# Altium PCB pycyby.PcbDoc (part 2 of 2)
Units mil, origin at the board's own origin, x right, y up, seen from the top; angles counter-clockwise.
Board outline 4015.75 x 3346.46 mil, 2 copper layers (Top Layer, Bottom Layer), stack 63.824 mil thick; 169 components, 123 nets, 635 pads, 245 vias.
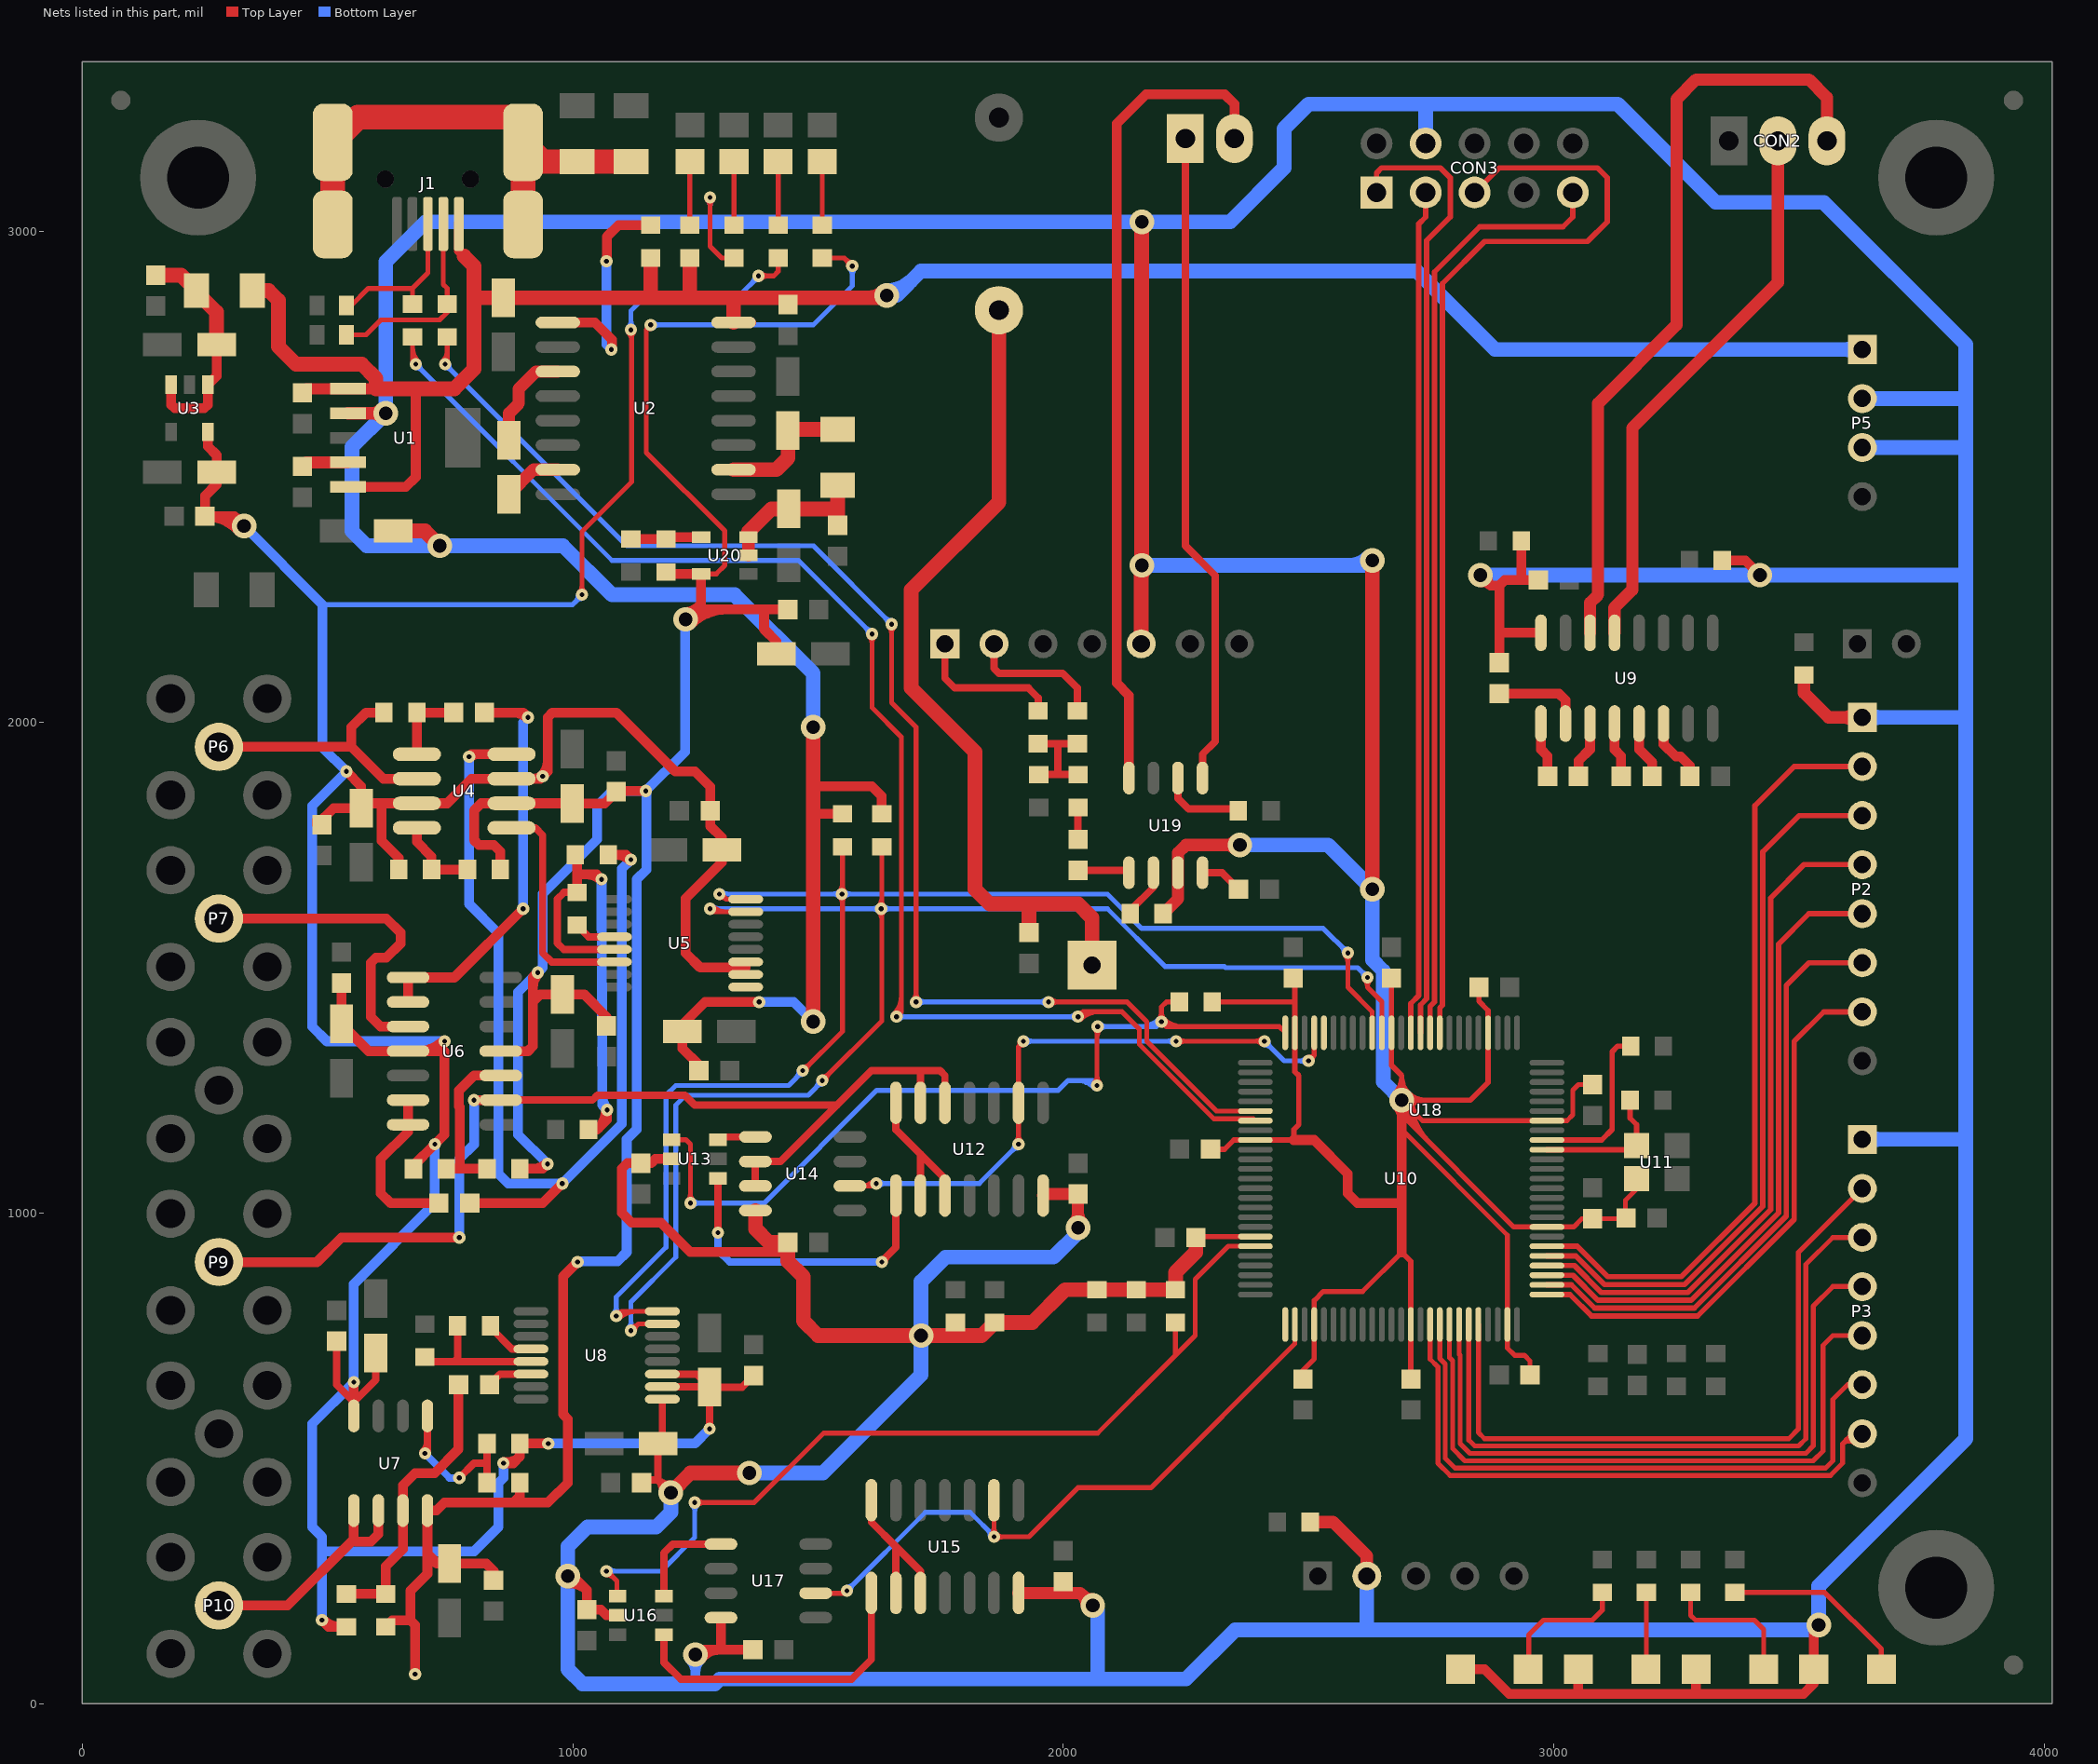
[diagram p2: the nets of this part, all layers, seen from the top]

## Via types
v1: diameter 25, hole 10, Top Layer to Bottom Layer, 215 vias
v2: diameter 50, hole 28, Top Layer to Bottom Layer, 29 vias
v3: diameter 70, hole 40, Top Layer to Bottom Layer, 1 vias

## Nets (pads, with @x,y where several pads share a name; then routed paths per layer and width w, separated by ;. In a path a pad name is that pad's centre, name@x,y a point inside that pad or via, vN(x,y) a via of type N, cw(c..) or ccw(c..) an arc to the next point about the centre after c; other vN are vias at no path point) (continued)
MUT_IN1: P9.1 U6.9 U12.5 U12.6 U14.6 U14.7 | length 2193.8
  Top Layer w15: U6.9@853.23,1230 1040,1230 1050,1240 1228.74,1240 1248.74,1220 1538.74,1220 ; U14.7@1372.28,1055 U14.6@1372.28,1105 1423.74,1105 1538.74,1220 ; U12.6@1708.74,1224.49 1708.74,1290 ; U12.5@1758.74,1224.49 1758.74,1280 1748.74,1290 1708.74,1290 ; 1538.74,1220 1608.74,1290 1708.74,1290
  Top Layer w20: P9.1@278.74,900 478.74,900 528.74,950 v1(768.74,950) ; v1(798.74,1230) U6.9@853.23,1230
  Bottom Layer w20: v1(768.74,950) 768.74,1110 798.74,1140 v1(798.74,1230)
MUT_OUT0: P10.1 U7.1 U7.2 | length 496.3
  Top Layer w20: P10.1@278.74,200 418.74,200 553.74,335 ; U7.1@553.74,393.54 553.74,335 ; U7.2@603.74,393.54 603.74,345 588.74,330 558.74,330 553.74,335
MUT_OUT1: P6.1 R11.1 U4.6 | length 549.4
  Top Layer w20: P6.1@278.74,1950 548.74,1950 ; R11.1@615.28,2020 578.74,2020 548.74,1990 548.74,1950 ; U4.6@682.28,1885 613.74,1885 548.74,1950
MUT_REF1: P7.1 U6.3 | length 674.3
  Top Layer w20: P7.1@278.74,1600 620,1600 648.74,1571.26 648.74,1548.74 620,1520 598.74,1520 588.74,1510 588.74,1400 608.74,1380 U6.3@664.25,1380
NetC4_1: C4.1 U2.3 | length 207.3
  Top Layer w25: C4.1@870,2575.12 870,2630 890,2650 890,2680 925,2715 U2.3@969.61,2715
NetC4_2: C4.2 U2.7 | length 120.4
  Top Layer w25: C4.2@870,2464.88 920.12,2515 U2.7@969.61,2515
NetC6_2: C6.2 L2.1 U2.10 | length 279
  Top Layer w30: U2.10@1327.87,2515 1415,2515 1438.74,2538.74 C6.2@1438.74,2594.88 1440.94,2597.09 L2.1@1540,2597.09
NetC8_2: C8.2 U1.4 | length 96.4
  Top Layer w25: C8.2@448.74,2521.5 457.24,2530 U1.4@541.61,2530
NetC9_1: C9.1 C10.2 L3.2 U3.1 U3.3 | length 474.6
  Top Layer w20: U3.3@181.34,2688.23 181.34,2647.4 188.74,2640 248.74,2640 256.14,2647.4 U3.1@256.14,2688.23 273.86,2705.94 C9.1@273.86,2770
  Top Layer w30: C10.2@150,2911.5 201.42,2911.5 L3.2@232.91,2880 232.91,2877.09 273.86,2836.14 C9.1@273.86,2770
NetC13_1: C13.1 U6.1 U6.2 | length 860.8
  Top Layer w20: U6.2@664.25,1430 U6.1@664.25,1480 758.74,1480 v1(898.74,1620) ; C13.1@820.24,2020 898.74,2020 v1(908.74,2010) ; 878.56,2020 cw(c878.56,1979.82) v1@906.97,2008.23
  Bottom Layer w20: v1(898.74,1620) 898.74,2000 v1(908.74,2010)
NetC13_2: C13.2 R11.2 U4.5 | length 160.1
  Top Layer w20: U4.5@682.28,1935 682.28,2019.92 R11.2@682.2,2020 C13.2@757.24,2020
NetC14_1: C14.1 U6.6 U6.7 | length 339.8
  Top Layer w20: U6.6@664.25,1230 U6.7@664.25,1180 664.25,1165.51 608.74,1110 608.74,1040 628.74,1020 C14.1@727.24,1020
NetC14_2: C14.2 R12.1 U4.4 | length 2125.1
  Top Layer w20: v1(788.74,1930) 793.74,1935 U4.4@875.2,1935 ; C14.2@790.24,1020 938.74,1020 v1(978.74,1060) ; v1@790.51,1928.23 cw(c806.85,1911.89) 806.85,1935 ; R12.1@1072.2,1730 1108.74,1730 v1(1118.74,1720) ; R12.1@1088.56,1730 cw(c1088.56,1689.82) v1@1116.97,1718.23
  Bottom Layer w20: v1(788.74,1930) 788.74,1630 848.74,1570 848.74,1080 868.74,1060 v1(978.74,1060) 1100,1181.26 1100,1701.26 v1(1118.74,1720)
NetC15_1: C15.1 R17.2 R19.1 U7.3 | length 591.5
  Top Layer w20: R17.2@538.74,223.46 R19.1@618.74,223.46 618.74,280 653.74,315 U7.3@653.74,393.54 653.74,445 678.74,470 718.74,470 767.24,518.5 C15.1@767.24,650
NetC15_2: C15.2 U8.6 | length 93.6
  Top Layer w15: C15.2@830.24,650 851.85,671.61 U8.6@914.88,671.61
NetC29_1: C29.1 U9.2 | length 188.1
  Top Layer w20: C29.1@2888.74,2058.5 3010.24,2058.5 3023.74,2045 U9.2@3023.74,1997.48
NetC30_1: C30.1 U9.3 | length 117.2
  Top Layer w20: C30.1@3050.24,1890 3050.24,1921.5 3073.74,1945 U9.3@3073.74,1997.48
NetC30_2: C30.2 U9.1 | length 113.1
  Top Layer w20: U9.1@2973.74,1997.48 2973.74,1945 2987.24,1931.5 C30.2@2987.24,1890
NetC31_1: C31.1 U9.4 | length 113.1
  Top Layer w20: U9.4@3123.74,1997.48 3123.74,1945 3137.24,1931.5 C31.1@3137.24,1890
NetC31_2: C31.2 U9.5 | length 118.5
  Top Layer w20: U9.5@3173.74,1997.48 3173.74,1945 3200.24,1918.5 C31.2@3200.24,1890
NetC32_2: C32.2 U9.6 | length 135.5
  Top Layer w20: U9.6@3223.74,1997.48 3223.74,1955 3248.74,1930 3258.74,1930 3277.24,1911.5 C32.2@3277.24,1890
NetC51_1: C51.1 R51.2 | length 65
  Top Layer w15: C51.1@2030,1761.5 R51.2@2030,1826.54
NetC51_2: C51.2 U19.1 | length 105.8
  Top Layer w15: C51.2@2030,1698.5 2128.78,1698.5 U19.1@2133.74,1693.54
NetC52_1: C52.1 U19.4 | length 87.4
  Top Layer w15: U19.4@2283.74,1693.54 2323.7,1693.54 C52.1@2357.24,1660
NetC62_1: C62.1 C63.2 L2.2 U20.2 U20.3 | length 333.8
  Top Layer w25: U20.2@1358.23,2340 U20.3@1358.23,2377.4
  Top Layer w30: U20.3@1358.23,2377.4 1358.23,2388.23 1405.12,2435.12 C63.2@1440,2435.12 1532.91,2435.12 1540,2442.2 ; C62.1@1540,2401.5 1540,2442.2 ; L2.2@1540,2482.91 1540,2442.2
NetD1_1: D1.1 R1.1 | length 129.1
  Top Layer w10: R1.1@1238.74,3013.46 D1.1@1238.74,3142.6
NetD2_1: D2.1 R2.1 | length 129.1
  Top Layer w10: R2.1@1328.74,3013.46 D2.1@1328.74,3142.6
NetD3_1: D3.1 R3.1 | length 129.1
  Top Layer w10: R3.1@1418.74,3013.46 D3.1@1418.74,3142.6
NetD4_2: D4.2 R39.2 | length 129.1
  Top Layer w10: R39.2@1508.74,3013.46 D4.2@1508.74,3142.6
NetD5_2: D5.2 J1.3 R5.1 | length 325.2
  Top Layer w10: D5.2@538.74,2850 548.74,2850 583.23,2884.49 673.23,2884.49 ; R5.1@673.23,2852.36 673.23,2884.49 ; J1.3@704.72,3015.75 704.72,2915.98 673.23,2884.49
NetD6_2: D6.2 R27.2 | length 387.8
  Top Layer w10: R27.2@3368.74,226.54 3552.2,226.54 3667.64,111.1 D6.2@3667.64,70
NetD7_2: D7.2 R28.2 | length 157
  Top Layer w10: D7.2@3187.64,70 3188.74,71.1 R28.2@3188.74,226.54
NetD8_2: D8.2 R29.2 | length 288.5
  Top Layer w10: R29.2@3278.74,226.54 3278.74,180 3288.74,170 3408.74,170 3427.64,151.1 D8.2@3427.64,70
NetD9_2: D9.2 R30.2 | length 277.7
  Top Layer w10: D9.2@2947.64,70 2948.74,71.1 2948.74,140 2978.74,170 3078.74,170 3098.74,190 R30.2@3098.74,226.54
NetD10_2: D10.2 J1.2 R4.1 | length 407.8
  Top Layer w10: D10.2@538.74,2790 578.74,2790 608.74,2820 728.74,2820 744.09,2835.35 R4.1@744.09,2852.36 744.09,2884.65 736.22,2892.52 J1.2@736.22,3015.75
NetP2_2: P2.2 U10.81 | length 1573.8
  Top Layer w11: U10.81@2985.98,932.2 3047.8,932.2 3110,870 3260,870 3410,1020 3410,1830 3490,1910 P2.2@3628.74,1910
NetP2_3: P2.3 U10.80 | length 1486.3
  Top Layer w11: U10.80@2985.98,912.52 3044.85,912.52 3103.37,854 3266.63,854 3426,1013.37 3426,1736 3500,1810 P2.3@3628.74,1810
NetP2_4: P2.4 U10.79 | length 1398.8
  Top Layer w11: U10.79@2985.98,892.83 3041.91,892.83 3096.75,838 3273.25,838 3442,1006.75 3442,1642 3510,1710 P2.4@3628.74,1710
NetP2_5: P2.5 U10.78 | length 1311.3
  Top Layer w11: U10.78@2985.98,873.15 3038.97,873.15 3090.12,822 3279.88,822 3458,1000.12 3458,1548 3520,1610 P2.5@3628.74,1610
NetP2_6: P2.6 U10.77 | length 1229.6
  Top Layer w11: U10.77@2985.98,853.46 3036.03,853.46 3083.49,806 3286.51,806 3474,993.49 3474,1464 3520,1510 P2.6@3628.74,1510
NetP2_7: P2.7 U10.76 | length 1130.4
  Top Layer w11: U10.76@2985.98,833.78 3033.08,833.78 3076.86,790 3293.14,790 3490,986.86 3490,1350 3550,1410 P2.7@3628.74,1410
NetP3_2: P3.2 U10.71 | length 1430.1
  Top Layer w10: U10.71@2846.22,772.76 2846.22,552.52 2858.74,540 3478.74,540 3498.74,560 3498.74,920 P3.2@3628.74,1050
NetP3_3: P3.3 U10.70 | length 1426.8
  Top Layer w10: U10.70@2826.54,772.76 2826.54,537.2 2838.74,525 3498.74,525 3513.74,540 3513.74,895 3568.74,950 P3.3@3628.74,950
NetP3_4: P3.4 U10.69 | length 1379.6
  Top Layer w10: U10.69@2806.85,772.76 2806.85,711.89 2808.74,710 2808.74,530 2828.74,510 3513.74,510 3528.74,525 3528.74,810 3568.74,850 P3.4@3628.74,850
NetP3_5: P3.5 U10.68 | length 1332.4
  Top Layer w10: U10.68@2787.17,772.76 2787.17,705.21 2793.74,698.64 2793.74,520 2818.74,495 3528.74,495 3548.74,515 3548.74,730 3568.74,750 P3.5@3628.74,750
NetP3_6: P3.6 U10.67 | length 1296
  Top Layer w10: U10.67@2767.48,772.76 2767.48,703.69 2778.74,692.43 2778.74,500 2798.74,480 3553.74,480 3568.74,495 3568.74,620 3598.74,650 ; P3.6@3604.7,645.13 ccw(c3598.74,643.92) 3598.74,650 ; P3.6@3604.7,654.87 cw(c3598.74,656.08) 3598.74,650 ; P3.6@3628.74,650 3598.74,650
NetP3_7: P3.7 U10.66 | length 1275.3
  Top Layer w10: U10.66@2747.8,772.76 2747.8,702.16 2763.74,686.21 2763.74,490 2788.74,465 3563.74,465 3588.74,490 3588.74,530 ; 3596.5,537.76 cw(c3608.56,525.69) P3.7@3619.46,538.82 ; P3.7@3613.07,531.13 ccw(c3601.53,517.22) 3588.74,530 ; P3.7@3628.74,550 3608.74,550 3588.74,530
NetR7_1: R7.1 U2.1 | length 509
  Top Layer w20: U2.1@969.61,2815 1045,2815 1080,2780 v1@1080,2760 ; v1@1070,2940 1070,2990 1093.46,3013.46 R7.1@1158.74,3013.46
  Bottom Layer w20: 1068.74,2790.18 ccw(c1108.92,2790.18) v1@1080.51,2761.77 ; v1(1068.74,2940) 1068.74,2770 v1(1078.74,2760)
NetR8_1: R8.1 R9.2 U4.8 | length 170.5
  Top Layer w20: U4.8@682.28,1785 682.28,1756.46 712.2,1726.54 R9.2@712.2,1700 R8.1@785.28,1700
NetR10_1: R10.1 R12.2 R15.2 U5.5 | length 1035.1
  Top Layer w15: R12.2@1005.28,1730 R12.2@1008.74,1726.54 ; R10.1@1008.74,1653.46 982.2,1653.46 968.74,1640 968.74,1550 981.54,1537.2 U5.5@1084.88,1537.2 ; 1048.74,1690 v1(1058.74,1680)
  Top Layer w20: R10.1@1008.74,1653.46 1008.74,1690 ; R12.2@1008.74,1726.54 1008.74,1690 ; 1028.56,1690 cw(c1028.56,1649.82) v1@1056.97,1678.23 ; R15.2@1032.2,1170 1050,1170 1070,1190 v1(1070,1210) ; 1048.74,1690 1008.74,1690 ; 1051.59,1171.59 ccw(c1013.18,1210) v1@1067.5,1210
  Bottom Layer w20: v1(1058.74,1680) 1060,1260 1060,1220 v1(1070,1210) ; 1060,1240.18 ccw(c1100.18,1240.18) v1@1071.77,1211.77
NetR10_2: R10.2 U5.4 | length 86
  Top Layer w15: R10.2@1008.74,1586.54 1032.48,1562.8 U5.4@1084.88,1562.8
NetR18_2: R18.2 R21.1 U6.10 | length 339.7
  Top Layer w20: R18.2@742.2,1090 768.74,1090 ; R21.1@825.28,1090 770,1090 770,1215.61 768.24,1217.37 768.24,1249.5 798.74,1280 U6.10@853.23,1280
NetR20_1: R20.1 U8.4 | length 104.3
  Top Layer w15: R20.1@832.2,770 832.2,766.54 875.94,722.8 U8.4@914.88,722.8
NetR20_2: R20.2 R22.2 U8.5 | length 295.5
  Top Layer w15: R22.2@698.74,706.54 708.07,697.2 758.74,697.2 ; R20.2@765.28,770 765.28,703.74 758.74,697.2 ; U8.5@914.88,697.2 758.74,697.2
NetR23_2: R23.2 R24.1 U7.5 | length 341.1
  Top Layer w15: v1@695.2,513.54 ccw(c674.6,534.14) 703.74,534.14 ; v1(698.74,510) 703.74,515 U7.5@703.74,586.46 ; v1(768.74,460) 798.74,490 825.28,490 ; R24.1@825.28,450 825.28,490 ; R23.2@825.28,530 825.28,490
  Bottom Layer w15: v1(698.74,510) 748.74,460 v1(768.74,460)
NetR33_2: R33.2 U19.2 | length 105.3
  Top Layer w15: R33.2@2136.54,1610 2136.54,1616.54 2183.74,1663.74 U19.2@2183.74,1693.54 U19.2@2185.28,1692.01
NetR34_1: R34.1 U18.1 | length 303.1
  Top Layer w15: U18.1@1758.74,2160 1758.74,2090 1778.74,2070 1928.74,2070 1948.74,2050 R34.1@1948.74,2023.46
NetR34_2: R34.2 R35.2 R36.1 R51.1 | length 223.6
  Top Layer w15: R34.2@1948.74,1956.54 1988.74,1956.54 ; R36.1@1950,1893.46 1990,1893.46 ; R35.2@2028.74,1956.54 1988.74,1956.54 ; R51.1@2030,1893.46 1990,1893.46 ; 1988.74,1956.54 1988.74,1894.72 1990,1893.46
NetR35_1: R35.1 U18.2 | length 283.1
  Top Layer w15: U18.2@1858.74,2160 1858.74,2110 1868.74,2100 1998.74,2100 2028.74,2070 R35.1@2028.74,2023.46
NetR37_2: R37.2 U19.6 | length 175.4
  Top Layer w15: U19.6@2233.74,1886.46 2233.74,1845 2255.28,1823.46 R37.2@2358.74,1823.46
NetR40_2: R40.2 U10.91 U11.1 | length 284.7
  Top Layer w11: U10.91@2985.98,1129.06 3160.87,1129.06 U11.1@3168.74,1136.93 3168.74,1180 3155.28,1193.46 R40.2@3155.28,1230
NetR45_2: R45.2 R46.1 U20.4 | length 144.7
  Top Layer w20: R45.2@1118.74,2373.46 R46.1@1190,2373.46 1193.94,2377.4 U20.4@1261.77,2377.4
NetR49_2: R49.2 U10.92 | length 342.8
  Top Layer w11: U10.92@2985.98,1148.74 3097.48,1148.74 3118.74,1170 3118.74,1328.74 3130,1340 R49.2@3156.54,1340
NetS1_1: S1.1 U19.5 | length 1339.8
  Top Layer w15: S1.1@2248.74,3190 2248.74,2360 2310,2298.74 2310,1961.26 2283.74,1935 U19.5@2283.74,1886.46
NetS1_2: S1.2 U19.8 | length 1687
  Top Layer w20: U19.8@2133.74,1886.46 2133.74,2055 2108.74,2080 2108.74,3220 2168.74,3280 2328.74,3280 2348.74,3260 S1.2@2348.74,3190
NetU4_1: U4.1 U5.6 | length 463.5
  Top Layer w15: U4.1@875.2,1785 923.74,1785 938.74,1770 938.74,1530 957.13,1511.61 U5.6@1084.88,1511.61
NetU12_7: U12.7 U12.9 U12.10 | length 314.9
  Top Layer w15: U12.7@1658.74,1224.49 1658.74,1170 1708.74,1120 ; U12.9@1708.74,1035.51 1708.74,1120 ; U12.10@1758.74,1035.51 1758.74,1070 1708.74,1120
NetU12_8: U12.8 U13.4 | length 649.1
  Top Layer w15: v1(1295.98,960) U13.4@1295.98,1070.63 ; v1@1628.74,900 1658.74,930 U12.8@1658.74,1035.51 ; v1@1635,900 cw(c1650.11,900) 1639.43,910.69
  Bottom Layer w15: v1(1295.98,960) 1295.98,924.02 1320,900 v1@1628.74,900
  other v1: 1630,900
NetU13_6: U13.6 U14.5 | length 78.6
  Top Layer w15: U13.6@1295.98,1149.37 1301.61,1155 U14.5@1372.28,1155
NetU15_7: U15.7 U15.9 U15.10 | length 324.9
  Top Layer w15: U15.7@1608.74,414.49 1608.74,370 1658.74,320 ; U15.9@1658.74,225.51 1658.74,320 ; U15.10@1708.74,225.51 1708.74,270 1658.74,320
NetU15_8: U15.8 U16.4 | length 645.5
  Top Layer w15: U16.4@1185.98,140.63 1185.98,84.02 1220,50 1568.74,50 1608.74,90 U15.8@1608.74,225.51
NetU16_6: U16.6 U17.5 | length 211.5
  Top Layer w15: U16.6@1185.98,219.37 1185.98,307.24 1203.74,325 U17.5@1302.28,325
POT_SPI0.MISO0: U10.51 | length 29
  Top Layer w10: U10.51@2452.52,743.78 U10.51@2452.52,772.76
POT_SPI1.MISO1: U10.21
POT_SW0: R32.1 U10.45 U16.1 | length 1994.9
  Top Layer w10: v1@1068.74,262.5 cw(c1068.74,241.35) 1083.69,256.31 ; v1(1068.74,270) 1078.74,260 ; v1@1070.16,262.63 cw(c1071.96,253.22) 1078.74,260 ; v1@1070.47,262.7 cw(c1072.81,252.82) 1080,260 ; v1@1076.11,268.58 ccw(c1085.52,266.78) 1078.74,260 ; v1@1076.23,269.68 ccw(c1089.12,269.12) 1080,260 ; v1@1076.24,270 ccw(c1091.31,270) 1080.65,259.35 ; U16.1@1091.5,219.37 1090,220.87 1090,250 1080,260 ; v1@1250,410 1370,410 1511.26,551.26 2070,551.26 2228.74,710 ; v1@1254.04,404.7 cw(c1266.85,391.89) 1266.85,410 cw(c1266.85,428.11) v1@1254.04,415.3 ; R32.1@2235.28,770 R32.1@2228.74,776.54 2228.74,710 ; U10.45@2391.5,932.2 2336.09,932.2 2268.74,864.85 2268.74,750 2228.74,710 ; 1078.74,260 1080,260
  Bottom Layer w10: v1(1068.74,270) 1180,270 1248.74,338.74 v1(1248.74,410) ; v1@1074.04,264.7 cw(c1086.85,251.89) 1086.85,270 cw(c1086.85,288.11) v1@1074.04,275.3 ; v1@1243.44,404.7 cw(c1230.63,391.89) 1248.74,391.89 cw(c1266.85,391.89) v1@1254.04,404.7
POT_SW1: R31.1 U10.25 U13.1 | length 2066.2
  Top Layer w10: U13.1@1201.5,1149.37 1230.63,1149.37 1240,1140 v1(1240,1020) ; v1@1234.7,1025.3 ccw(c1221.89,1038.11) 1240,1038.11 ccw(c1258.11,1038.11) v1@1245.3,1025.3 ; v1@2063.44,1265.3 ccw(c2050.63,1278.11) 2068.74,1278.11 ccw(c2086.85,1278.11) v1@2074.04,1265.3 ; v1@2064.7,1374.7 cw(c2054.93,1364.93) 2068.74,1364.93 ; v1(2068.74,1260) 2068.74,1378.74 v1(2070,1380) ; 2068.74,1358.85 cw(c2091.15,1358.85) v1@2075.3,1374.7 ; v1@2194.7,1395.3 ccw(c2181.89,1408.11) 2200,1408.11 ccw(c2218.11,1408.11) 2205.3,1395.3 ccw(c2242.25,1432.25) 2242.25,1380 ; v1@2198.23,1388.23 ccw(c2218.11,1408.11) 2218.11,1380 ; v1@2201.42,1382.63 cw(c2203.22,1373.22) 2210,1380 ; v1@2207.37,1388.58 ccw(c2216.77,1386.78) 2210,1380 ; R31.1@2236.54,1430 2210,1430 2200,1420 v1(2200,1390) 2210,1380 ; U10.25@2452.52,1367.24 2452.52,1367.48 2440,1380 2210,1380
  Bottom Layer w10: v1(1240,1020) 1390,1020 1620,1250 1990,1250 2010,1270 2060,1270 v1@2070,1260 ; v1@1245.3,1014.7 cw(c1258.11,1001.89) 1258.11,1020 cw(c1258.11,1038.11) v1@1245.3,1025.3 ; 2026.49,1270 cw(c2026.49,1217.75) v1@2063.44,1254.7 ; 2050.63,1270 cw(c2050.63,1241.89) v1@2070.51,1261.77 ; v1(2070,1380) 2190,1380 v1(2200,1390) ; v1@2075.3,1374.7 cw(c2088.11,1361.89) 2088.11,1380 cw(c2088.11,1398.11) v1@2075.3,1385.3 ; 2157.75,1380 ccw(c2157.75,1432.25) v1@2194.7,1395.3 ; 2181.89,1380 ccw(c2181.89,1408.11) v1@2201.77,1388.23
RS_RX: CON2.2 U9.13 | length 1140.4
  Top Layer w25: U9.13@3123.74,2182.52 3123.74,2233.74 3160,2270 3160,2600 3456.69,2896.69 CON2.2@3456.69,3185.04
RS_TX: CON2.3 U9.14 | length 1587.2
  Top Layer w25: U9.14@3073.74,2182.52 3073.74,2243.74 3090,2260 3090,2650 3250,2810 3250,3270 3290,3310 3520,3310 3556.69,3273.31 CON2.3@3556.69,3185.04
SCK0: U10.52 U15.2 U17.2 | length 1458.4
  Top Layer w10: U17.2@1495.2,225 1555,225 v1@1560,230 ; v1@1853.44,345.3 ccw(c1840.63,358.11) 1858.74,358.11 ccw(c1876.85,358.11) 1864.04,345.3 ccw(c1876.85,358.11) 1876.85,340 ccw(c1876.85,321.89) v1@1864.04,334.7 ; U15.2@1858.74,414.49 1858.74,341.26 1860,340 1930,340 2030,440 2178.74,440 2472.2,733.46 U10.52@2472.2,772.76
  Bottom Layer w10: v1(1558.74,230) 1718.74,390 1810,390 v1@1860,340 ; v1@1558.74,237.5 ccw(c1558.74,255.61) 1571.54,242.8 ccw(c1584.35,230) v1@1566.24,230 ; 1845.05,354.95 cw(c1830.09,340) v1@1851.24,340 ; 1848.09,351.91 ccw(c1858.74,362.57) v1@1858.74,347.5
  other v1: 1858.74,340
SCK1: U10.22 U12.2 U14.2 | length 1584
  Top Layer w10: U14.2@1565.2,1055 1615,1055 v1@1620,1060 ; U14.2@1588.56,1055 ccw(c1588.56,1090.18) v1@1613.44,1065.3 ; v1@1903.44,1145.3 ccw(c1890.63,1158.11) 1908.74,1158.11 ccw(c1926.85,1158.11) v1@1914.04,1145.3 ; v1@1910,1140 1908.74,1141.26 U12.2@1908.74,1224.49 1908.74,1338.74 ; v1@1911.44,1348.27 cw(c1901.56,1345.93) 1908.74,1338.74 ; v1@1918.42,1342.51 ccw(c1917.86,1329.62) 1908.74,1338.74 ; v1@1920,1350 1908.74,1338.74 ; v1(2230,1350) v1(2410,1350) ; v1@2235.3,1344.7 cw(c2248.11,1331.89) 2248.11,1350 cw(c2248.11,1368.11) v1@2235.3,1355.3 ; v1@2404.7,1344.7 ccw(c2391.89,1331.89) 2391.89,1350 ccw(c2391.89,1368.11) v1@2404.7,1355.3 ; v1(2500,1310) 2511.57,1321.57 ; v1@2500.55,1317.48 ccw(c2501.6,1331.55) 2511.57,1321.57 ; v1@2507.48,1310.55 cw(c2521.55,1311.6) 2511.57,1321.57 ; U10.22@2511.57,1367.24 2511.57,1321.57
  Bottom Layer w10: v1(1618.74,1060) 1828.74,1060 v1(1908.74,1140) ; v1@1624.04,1054.7 cw(c1636.85,1041.89) 1636.85,1060 cw(c1636.85,1078.11) v1@1624.04,1065.3 ; v1@1901.24,1140 cw(c1883.13,1140) 1895.94,1127.2 cw(c1908.74,1114.39) v1@1908.74,1132.5 ; v1(1918.74,1350) v1(2230,1350) ; v1@1924.04,1344.7 cw(c1936.85,1331.89) 1936.85,1350 cw(c1936.85,1368.11) v1@1924.04,1355.3 ; v1@2224.7,1344.7 ccw(c2211.89,1331.89) 2211.89,1350 ccw(c2211.89,1368.11) v1@2224.7,1355.3 ; v1@2410,1342.5 cw(c2410,1324.39) 2422.8,1337.2 cw(c2435.61,1350) v1@2417.5,1350 ; v1(2410,1350) 2450,1310 v1(2500,1310) ; v1@2494.7,1304.7 ccw(c2481.89,1291.89) 2481.89,1310 ccw(c2481.89,1328.11) v1@2494.7,1315.3
SCL: R14.2 U5.16 U8.16 U10.16 | length 3325.2
  Top Layer w10: v1@1086.97,791.77 cw(c1105.8,772.94) 1105.8,799.57 ; v1@1090,790 1099.57,799.57 ; v1@1090.73,797.23 ccw(c1093.14,805.99) 1099.57,799.57 ; v1@1094.04,784.7 cw(c1129.94,748.8) 1129.94,799.57 ; v1@1096.22,790.56 cw(c1107.72,791.41) 1099.57,799.57 ; U8.16@1182.6,799.57 1099.57,799.57 ; v1@1300.73,1642.77 cw(c1304.05,1630.75) 1312.86,1639.57 ; v1@1303.55,1648.88 1312.86,1639.57 ; U5.16@1352.6,1639.57 1312.86,1639.57 ; v1(1468.74,1290) 1470,1290 1550,1370 R14.2@1550,1746.54 ; v1@1468.74,1297.5 ccw(c1468.74,1318.65) 1483.69,1303.69 ; v1@1476.24,1290 cw(c1491.31,1290) 1480.65,1300.65 ; v1@1543.44,1644.7 cw(c1527.59,1628.85) 1550,1628.85 ; v1@1543.44,1655.3 ccw(c1527.59,1671.15) 1550,1671.15 ; 1550,1634.93 cw(c1563.81,1634.93) v1@1554.04,1644.7 ; 1550,1665.07 ccw(c1563.81,1665.07) v1@1554.04,1655.3 ; v1@2574.7,1524.7 cw(c2561.89,1511.89) 2580,1511.89 cw(c2598.11,1511.89) v1@2585.3,1524.7 ; v1(2580,1530) 2580,1460 2629.69,1410.31 U10.16@2629.69,1367.24